# Altium PCB PROC054D_MMWCAS_RF_EVM_ASCII.PcbDoc (part 11 of 13)
Units mil, origin at the board's own origin, x right, y up, seen from the top; angles counter-clockwise.
Board outline 6299.21 x 5370.07 mil, 8 copper layers (L1 TOP, L2 GND, L3 SIGNAL 1, L4 GND, L5 SIGNAL 2, L6 SIGNAL 3, L7 GND, L8 BOTTOM), stack 53.5 mil thick; 775 components, 552 nets, 2648 pads, 7845 vias.
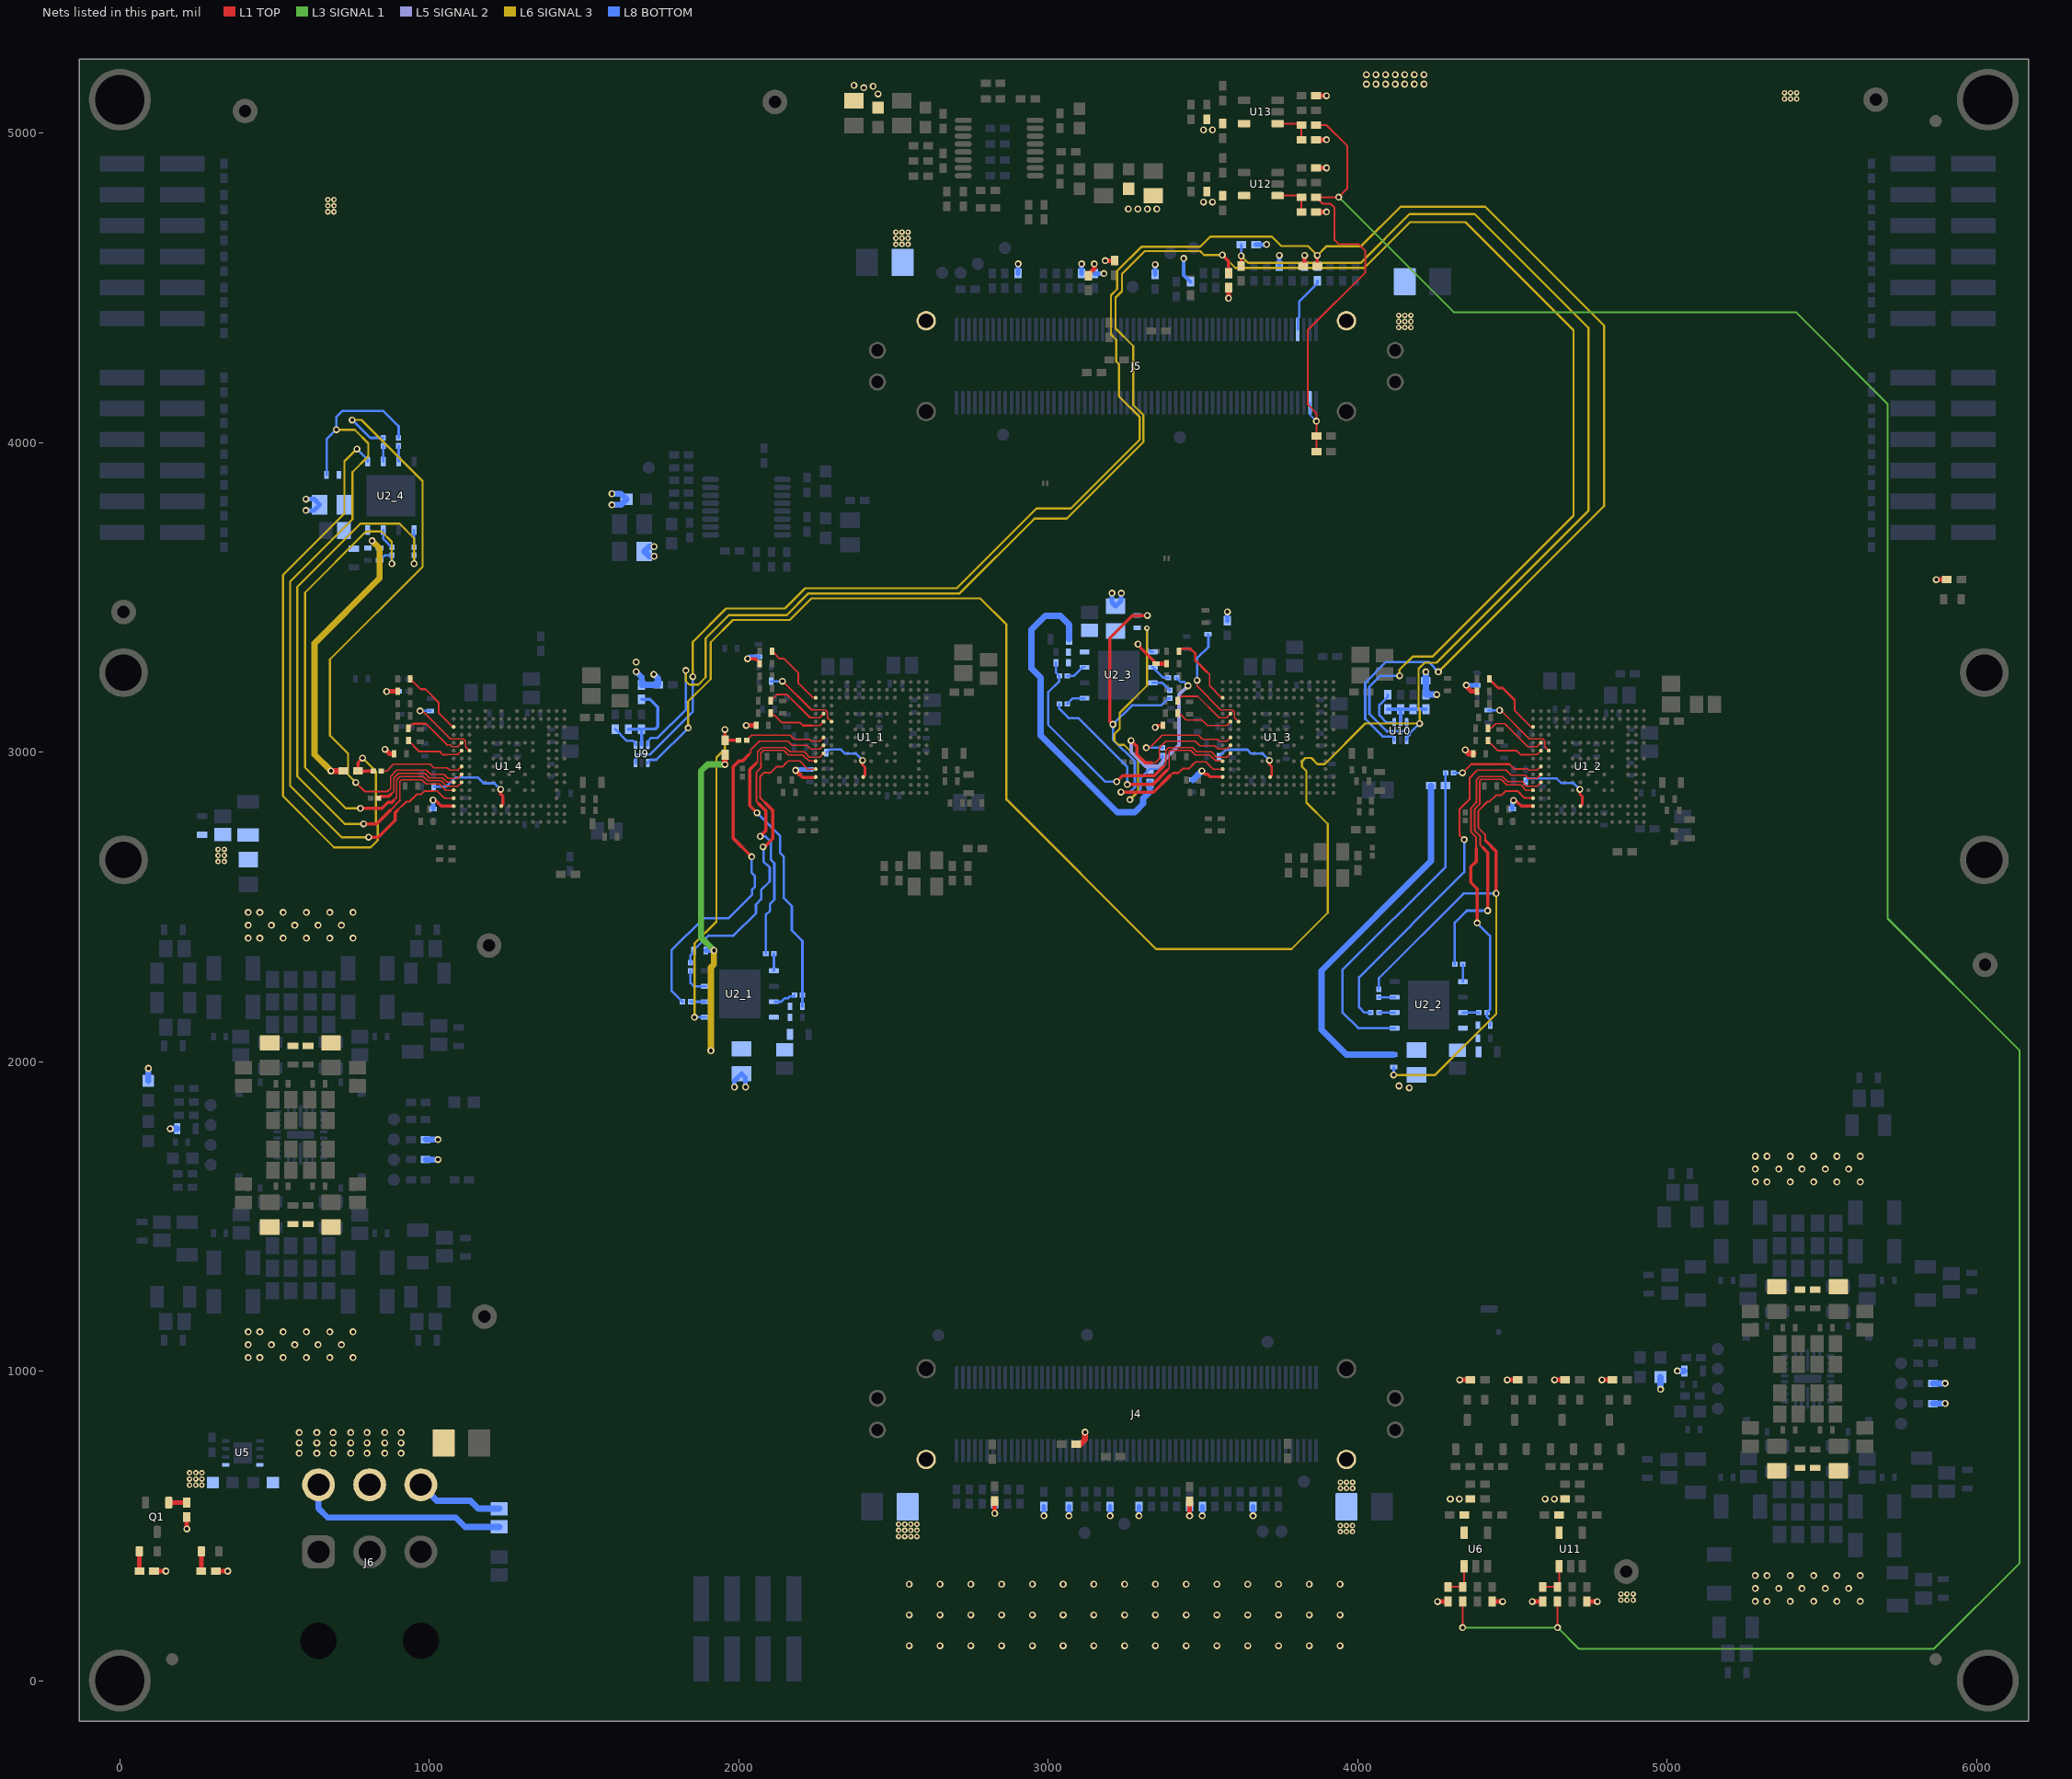
[diagram p17: the nets of this part, all layers, seen from the top]

## Via types
v1: diameter 15.74, hole 5.9, L1 TOP to L2 GND, tented both sides, 5522 vias
v2: diameter 22.4, hole 12.2, L1 TOP to L8 BOTTOM, tented both sides, 1522 vias
v3: diameter 18, hole 8, L1 TOP to L8 BOTTOM, tented both sides, 727 vias
v4: diameter 18, hole 7.87, L1 TOP to L8 BOTTOM, tented top, 50 vias
v5: diameter 24, hole 12, L1 TOP to L8 BOTTOM, tented both sides, 13 vias
v6: diameter 19.68, hole 7.87, L1 TOP to L8 BOTTOM, tented top, 10 vias
v7: diameter 15.74, hole 5.9, L1 TOP to L2 GND, tented top, 1 vias

## Nets (pads, with @x,y where several pads share a name; then routed paths per layer and width w, separated by ;. In a path a pad name is that pad's centre, name@x,y a point inside that pad or via, vN(x,y) a via of type N, cw(c..) or ccw(c..) an arc to the next point about the centre after c; other vN are vias at no path point) (continued)
QSPI_CLK_RS_4: R7_4.1 U1_4.R10 | length 312.9
  L1 TOP w4: 880,2867.56 885,2872.56 885,2916 900,2931 986,2931 1000,2917 1043,2917 1057.68,2902.32 U1_4.R10@1078.76,2902.31
  L1 TOP w6: 875.22,2862.78 880,2867.56
  L1 TOP w10.5: R7_4.1@836.23,2851.34 841.88,2857 869.44,2857 875.22,2862.78
QSPI_CS_1: R3_1.1 R6_1.2 U2_1.1 | length 1084.4
  L1 TOP w10.5: v2(1955.47,3072.76) R3_1.1@1955.47,3038.66 R6_1.2@1999.52,3038.66
  L6 SIGNAL 3 w6.9: v2(1856.94,2143.45) 1856.94,2381.49 1927.82,2452.37 1927.82,2982.73 1955.47,3010.37 v2(1955.47,3072.76)
  L8 BOTTOM w7.75: v2(1856.94,2143.45) U2_1.1@1893.07,2143.45
QSPI_CS_2: R3_2.1 R6_2.2 U2_2.1 | length 1101.7
  L8 BOTTOM w7.75: U2_2.1@4119.72,2108.17 4002.27,2108.17 3950.66,2159.79 3950.66,2295.48 4284.5,2629.32 R3_2.1@4284.5,2891.34 R6_2.2@4284.5,2932.79
QSPI_CS_3: R3_3.1 R6_3.2 U2_3.1 | length 942.7
  L6 SIGNAL 3 w6.9: v2(3263.95,2846.06) 3290.69,2872.8 3290.69,2978.19 3245.33,3023.55 3227.38,3023.55 3213.98,3036.95 3213.98,3058.37 3230.89,3075.29 3230.89,3126.62 3319.33,3215.06 v3(3319.33,3400.73)
  L8 BOTTOM w7.75: v2(3263.95,2846.06) 3299.18,2881.29 3299.18,2916.68 R3_3.1@3328.84,2946.33 3357.8,2946.33 3369.29,2957.81 R6_3.2@3369.29,2988.02 ; v3(3319.33,3400.73) 3319.33,3336.15 3331.48,3324 U2_3.1@3338.2,3324
QSPI_CS_4: R3_4.1 R6_4.2 U2_4.1 | length 2043.6
  L1 TOP w10.5: v2(784.43,2980.78) 769.58,2965.93 R3_4.1@769.58,2938.96 R6_4.2@818.79,2938.96
  L6 SIGNAL 3 w6.9: v2(765.87,3979.55) 725.55,3939.23 725.55,3770.66 527.16,3572.27 527.16,2857.64 692.53,2692.26 810.51,2692.26 833.15,2714.9 833.15,2765.55 827.8,2770.91 827.8,2937.42 v2(784.43,2980.78)
  L8 BOTTOM w7.75: v2(765.87,3979.55) 800.89,3944.53 U2_4.1@800.89,3938.33
QSPI_CS_RS_1: R6_1.1 U1_1.P8 | length 269.1
  L1 TOP w4: R6_1.1@2025.51,3038.66 2041.85,3055 2166.75,3055 2180,3041.75 2228.1,3041.75 2234.85,3035 2261.85,3035 U1_1.P8@2274.35,3047.5
QSPI_CS_RS_2: R6_2.1 U1_2.P8 | length 308
  L1 TOP w4: 4540.65,2946 4549,2946 4554,2941 4579.85,2941 U1_2.P8@4592.35,2953.5
  L1 TOP w6: v2(4339,2933) 4367,2961 4491,2961 4506,2946 4540.65,2946
  L8 BOTTOM w7.75: R6_2.1@4309.42,2933 v2(4339,2933)
QSPI_CS_RS_3: R6_3.1 U1_3.P8 | length 355.1
  L1 TOP w4: v2(3317,3014) 3327.98,3014 3368.98,3055 3486,3055 3500,3041 3548,3041 3554,3035 3576.85,3035 U1_3.P8@3589.35,3047.5
  L8 BOTTOM w7.75: v2(3317,3014) R6_3.1@3369.29,3014
QSPI_CS_RS_4: R6_4.1 U1_4.P8 | length 282.2
  L1 TOP w4: R6_4.1@844.78,2938.96 862.49,2938.96 884.54,2961 1003,2961 1015,2949 1058,2949 1066,2941 1091.85,2941 U1_4.P8@1104.35,2953.5
QSPI_D0_1: R30_1.1 U1_1.R11 | length 907.9
  L1 TOP w4: 2071.51,2965.93 2071.51,2996.51 2080,3005 2146,3005 2160,2991 2207,2991 2227.27,2970.73 U1_1.R11@2248.76,2970.72
  L1 TOP w6: 2064.5,2833.5 2056.46,2841.54 2056.46,2934.62 2071.51,2949.67 2071.51,2965.93
  L1 TOP w10.5: 2064.5,2833.5 2087.05,2810.95 2087.05,2745.55 v2@2069.4,2727.9
  L8 BOTTOM w7.75: v2@2069.4,2727.9 2084.8,2727.9 2104.25,2708.45 2104.25,2651.51 2115.19,2640.57 2115.19,2523.48 2100.57,2508.86 2100.57,2486.64 2087.55,2473.63 R30_1.1@2087.55,2349.27
  other v2: 2069.4,2727.78
QSPI_D0_2: R30_2.1 U1_2.R11 | length 888.5
  L1 TOP w4: 4394.22,2905.78 4400.02,2911.57 4463.43,2911.57 4481,2894 4527,2894 4544.27,2876.73 U1_2.R11@4566.76,2876.73
  L1 TOP w6: 4394.22,2905.78 4394.22,2832.02 4378,2815.79 4378,2747 4396.72,2728.28 4396.72,2699.28 4404,2692
  L1 TOP w10.5: 4404,2692 4420,2676 v2(4420,2487.75)
  L8 BOTTOM w7.75: R30_2.1@4314.21,2313.99 4314.21,2449.21 4352.75,2487.75 v2(4420,2487.75)
QSPI_D0_3: R30_3.1 U1_3.R11 | length 769.6
  L1 TOP w4: 3383.9,2940.91 3390.9,2947.91 3390.9,3000.9 3395,3005 3461,3005 3475,2991 3522,2991 3542.27,2970.73 U1_3.R11@3563.76,2970.72
  L1 TOP w10.5: v2(3255.64,2895.06) 3338.05,2895.06 3383.9,2940.91
  L8 BOTTOM w7.75: R30_3.1@3035.84,3156 3035.84,3139.82 3065.47,3110.18 3097.36,3110.18 3255.64,2951.9 v2(3255.64,2895.06)
QSPI_D0_4: R30_4.1 U1_4.R11 | length 1881.4
  L1 TOP w4: 905,2843.15 905,2906 910,2911 976,2911 990,2897 1033,2897 1053.27,2876.73 U1_4.R11@1078.76,2876.72
  L1 TOP w6: 873.33,2811.48 905,2843.15
  L1 TOP w10.5: v2(788,2768) 829.85,2768 873.33,2811.48
  L6 SIGNAL 3 w6.9: v2(788,2768) 726.98,2768 573.41,2921.58 573.41,3533.58 777.75,3737.93 903.6,3737.93 950.89,3690.64 v2(950.89,3609.06)
  L8 BOTTOM w7.75: v2(950.89,3609.06) R30_4.1@950.89,3635.98
QSPI_D0_RS_1: R30_1.2 U2_1.5 | length 55.8
  L8 BOTTOM w7.75: U2_1.5@2113.54,2293.45 R30_1.2@2113.54,2349.27
QSPI_D0_RS_2: R30_2.2 U2_2.5 | length 55.8
  L8 BOTTOM w7.75: U2_2.5@4340.2,2258.17 R30_2.2@4340.2,2313.99
QSPI_D0_RS_3: R30_3.2 U2_3.5 | length 63.4
  L8 BOTTOM w7.75: R30_3.2@3061.82,3156 3079.82,3174 U2_3.5@3117.72,3174
QSPI_D0_RS_4: R30_4.2 U2_4.5 | length 55.9
  L8 BOTTOM w7.75: R30_4.2@950.89,3661.96 U2_4.5@950.89,3717.86
QSPI_D1_1: R31_1.1 U1_1.P9 | length 1310.7
  L1 TOP w4: 2031.08,2990.33 2038.41,2997.67 2038.41,3007.02 2066.41,3035.01 2158.44,3035.01 2171.7,3021.75 2220.25,3021.75 2232.59,3009.41 2261.85,3009.41 U1_1.P9@2274.35,3021.91
  L1 TOP w10.5: 2031.08,2990.33 2012.46,2971.71 2000.63,2971.71 1981.44,2952.51 1981.44,2722.56 v2@2042,2662
  L8 BOTTOM w7.75: R31_1.1@1818.27,2193.45 1782.88,2228.84 1782.88,2360.24 1885.77,2463.13 1967.11,2463.13 2043.52,2539.54 2043.52,2556.03 2052.39,2564.9 2052.39,2599.49 2042,2609.89 v2@2042,2662
  other v2: 2042,2661.88
QSPI_D1_2: R31_2.1 U1_2.P9 | length 1203.9
  L1 TOP w4: 4380.69,2935.34 4386.35,2941 4480,2941 4496,2925 4542,2925 4551.59,2915.41 4579.85,2915.41 U1_2.P9@4592.35,2927.91
  L1 TOP w6: v2(4344.52,2716.87) 4328.62,2732.77 4328.62,2814.56 4362.05,2847.99 4362.05,2916.7 4380.69,2935.34
  L8 BOTTOM w7.75: R31_2.1@4042.84,2158.17 4021.86,2158.17 4004.78,2175.25 4004.78,2272.33 4344.52,2612.07 v2(4344.52,2716.87)
QSPI_D1_3: R31_3.1 U1_3.P9 | length 921.7
  L1 TOP w4: 3334.56,2965 3345.76,2965 3360,2979.24 3360,3014.15 3380.85,3035 3476,3035 3490,3021 3538,3021 3549.59,3009.41 3576.85,3009.41 U1_3.P9@3589.35,3021.91
  L1 TOP w10.5: v2(3268,3037) 3286.57,3018.43 3286.57,2992.7 3314.27,2965 3334.56,2965
  L5 SIGNAL 2 w12: v2(3268,3037) 3268,3000.23 3313.86,2954.37 3355.2,2954.37 3422.88,3022.05 3422.88,3185.44 v2(3451.8,3214.36)
  L8 BOTTOM w7.75: R31_3.1@3415.08,3239.82 3427.88,3227.02 3439.14,3227.02 v2(3451.8,3214.36)
QSPI_D1_4: R31_4.1 U1_4.P9 | length 1986
  L1 TOP w4: 869.32,2877.04 875,2882.72 875,2921 895,2941 991,2941 1004,2928 1048,2928 1060.59,2915.41 1091.85,2915.41 U1_4.P9@1104.35,2927.91
  L1 TOP w6: v2(762.51,2901.82) 791.72,2872.61 864.89,2872.61 869.32,2877.04
  L6 SIGNAL 3 w6.9: v2(750.85,4073.17) 780.78,4073.17 978.24,3875.71 978.24,3598.76 679.14,3299.66 679.14,3053.48 737.32,2995.31 737.32,2927 v2(762.51,2901.82)
  L8 BOTTOM w7.75: v2(750.85,4073.17) 808.81,4015.21 R31_4.1@850.89,4015.21
QSPI_D1_RS_1: R31_1.2 U2_1.2 | length 48.8
  L8 BOTTOM w7.75: R31_1.2@1844.26,2193.45 U2_1.2@1893.07,2193.45
QSPI_D1_RS_2: R31_2.2 U2_2.2 | length 50.9
  L8 BOTTOM w7.75: R31_2.2@4068.82,2158.17 U2_2.2@4119.72,2158.17
QSPI_D1_RS_3: R31_3.2 U2_3.2 | length 65.1
  L8 BOTTOM w7.75: U2_3.2@3338.2,3274 3372.38,3239.82 R31_3.2@3389.1,3239.82
QSPI_D1_RS_4: R31_4.2 U2_4.2 | length 50.9
  L8 BOTTOM w7.75: U2_4.2@850.89,3938.33 R31_4.2@850.89,3989.23
QSPI_D2_1: R27_1.2 R32_1.1 U1_1.R12 | length 1009.3
  L1 TOP w4: 2189.08,2971 2197,2971 2222.86,2945.14 U1_1.R12@2248.76,2945.13
  L1 TOP w4.9: 2153.81,2965.29 2159.52,2971 2189.08,2971
  L1 TOP w6: 2088,2834 2069,2853 2069,2921.42 2081.58,2934 2103.44,2934 2121.77,2952.32 2140.84,2952.32 2153.81,2965.29
  L1 TOP w10.5: v2@2078.5,2694.1 2084.43,2694.1 2110.35,2720.02 2110.35,2811.65 2088,2834
  L8 BOTTOM w7.75: R32_1.1@1844.26,2319.43 1844.26,2343.58 1854.26,2353.58 R27_1.2@1854.26,2359.18 1902.03,2406.95 1983.18,2406.95 2055.67,2479.44 2055.67,2507.44 2072.49,2524.26 2072.49,2554.39 2100.18,2582.09 2100.18,2626.82 2080,2647 2080,2692.6 v2@2078.5,2694.1
  other v2: 2078.5,2693.98
QSPI_D2_2: R27_2.2 R32_2.1 U1_2.R12 | length 1859.4
  L1 TOP w6: 4413.01,2713.99 4413.01,2731.99 4390.35,2754.65 4390.35,2810.73 4419.98,2840.35 4427.2,2840.35 4446.85,2860 4464.17,2860 4478.17,2874 4517,2874 4539.87,2851.13 U1_2.R12@4566.76,2851.13
  L1 TOP w10.5: 4413.01,2713.99 4448,2679 v2(4448,2543.39)
  L6 SIGNAL 3 w6.9: v2(4116.64,1956.94) 4250.75,1956.94 4448,2154.2 v2(4448,2543.39)
  L8 BOTTOM w7.75: R32_2.1@4068.82,2234.15 4068.82,2270 4342.21,2543.39 v2(4448,2543.39) ; v2(4116.64,1956.94) R27_2.2@4116.64,1982.51
QSPI_D2_3: R27_3.2 R32_3.1 U1_3.R12 | length 1344.2
  L1 TOP w4: 3471.82,2963.62 3477.2,2969 3510,2969 3533.86,2945.14 U1_3.R12@3563.76,2945.13
  L1 TOP w6: 3394.44,2924.44 3402.79,2932.79 3420.79,2932.79 3434.67,2946.67 3454.87,2946.67 3471.82,2963.62
  L1 TOP w10.5: v2(3209,3089.6) 3198.84,3099.75 3198.84,3368.15 3271.94,3441.24 v2(3320.35,3441.24) ; v2(3235.29,2870.65) 3340.65,2870.65 3394.44,2924.44
  L8 BOTTOM w7.75: v2(3235.29,2870.65) 3264.43,2870.65 3280.08,2886.3 3280.08,2969.98 3209,3041.06 v2(3209,3089.6) 3270.53,3151.13 3365.27,3151.13 3388.02,3173.88 R32_3.1@3393.01,3173.88 ; R27_3.2@3292.73,3441.24 v2(3320.35,3441.24)
QSPI_D2_4: R27_4.2 R32_4.1 U1_4.R12 | length 2483.7
  L1 TOP w4: 1014.53,2874.24 1025.76,2874.24 1048.86,2851.14 U1_4.R12@1078.76,2851.13
  L1 TOP w6: 896.36,2811.17 925,2839.81 935.7,2839.81 958.92,2863.04 973.3,2863.04 984.5,2874.24 1014.53,2874.24
  L1 TOP w10.5: v2(804,2725) 835.1,2725 889.39,2779.29 889.39,2804.2 896.36,2811.17
  L6 SIGNAL 3 w6.9: v2(699.62,4041.66) 758.97,4041.66 803.02,3997.61 803.02,3955.88 751.72,3904.58 751.72,3752.25 550.28,3550.81 550.28,2891.36 716.65,2725 v2(804,2725)
  L8 BOTTOM w7.75: R27_4.2@668.22,3895.75 668.22,4010.26 v2(699.62,4041.66) 699.62,4082.81 719.53,4102.72 850.89,4102.72 900.89,4052.72 R32_4.1@900.89,4015.21
QSPI_D2_RS_1: R32_1.2 U2_1.3 | length 92.4
  L8 BOTTOM w7.75: R32_1.2@1844.26,2293.44 1844.26,2254.36 1855.17,2243.45 U2_1.3@1893.07,2243.45
QSPI_D2_RS_2: R32_2.2 U2_2.3 | length 50.9
  L8 BOTTOM w7.75: R32_2.2@4068.82,2208.17 U2_2.3@4119.72,2208.17
QSPI_D2_RS_3: R32_3.2 U2_3.3 | length 64.8
  L8 BOTTOM w7.75: U2_3.3@3338.2,3224 3368.87,3224 R32_3.2@3393.01,3199.87
QSPI_D2_RS_4: R32_4.2 U2_4.3 | length 50.9
  L8 BOTTOM w7.75: U2_4.3@900.89,3938.33 R32_4.2@900.89,3989.23
QSPI_D3_1: R28_1.2 R33_1.1 U1_1.P10 | length 1141
  L1 TOP w4: 2054.98,2962.98 2060.79,2968.79 2060.79,3000.79 2075.01,3015.01 2150.14,3015.01 2164.15,3001 2212,3001 2229.18,2983.82 2261.85,2983.82 U1_1.P10@2274.35,2996.31
  L1 TOP w10.5: 2054.98,2962.98 2035.81,2943.81 2035.81,2827.19 v2@2059,2804
  L8 BOTTOM w7.75: v2@2059,2804 2134,2729 2134,2673.76 2145.86,2661.9 2145.86,2528.37 2171.6,2502.63 2171.6,2424.11 2205.91,2389.81 R33_1.1@2205.91,2215.45 R28_1.2@2205.91,2178.18
  other v2: 2059,2803.88
QSPI_D3_2: R28_2.2 R33_2.1 U1_2.P10 | length 1078.6
  L1 TOP w4: 4388.98,2915.33 4393.85,2920.2 4468.95,2920.2 4485.15,2904 4532,2904 4546.18,2889.82 4579.85,2889.82 U1_2.P10@4592.35,2902.32
  L1 TOP w6: 4383,2688.83 4383,2725 4366,2742 4366,2818.96 4384.12,2837.08 4384.12,2910.47 4388.98,2915.33
  L1 TOP w10.5: 4383,2688.83 4383,2646.71 4366,2629.71 4366,2578.75 4386.34,2558.41 v2(4386.34,2447.74)
  L8 BOTTOM w7.75: v2(4386.34,2447.74) 4428.03,2406.05 4428.03,2168.13 R33_2.1@4418.08,2158.17 4418.08,2145.12 4428.64,2134.56 R28_2.2@4428.64,2117.67
QSPI_D3_3: R28_3.2 R33_3.1 U1_3.P10 | length 974.8
  L1 TOP w4: 3370.96,2952.36 3380,2961.4 3380,3005 3390,3015 3466,3015 3480,3001 3527,3001 3544.18,2983.82 3576.85,2983.82 U1_3.P10@3589.35,2996.31
  L1 TOP w10.5: v2(3221.41,2904.61) 3240.98,2924.17 3342.78,2924.17 3370.96,2952.36
  L8 BOTTOM w7.75: R28_3.2@3025.36,3289.27 3025.36,3256.48 R33_3.1@3035.84,3246 3035.84,3229.7 3000.02,3193.88 3000.02,3088.53 3183.94,2904.61 v2(3221.41,2904.61)
QSPI_D3_4: R28_4.2 R33_4.1 U1_4.P10 | length 1739
  L1 TOP w4: 892.97,2851.96 895,2853.99 895,2910.99 905,2920.99 981,2920.99 995,2906.99 1038,2906.99 1055.18,2889.81 1091.85,2889.81 U1_4.P10@1104.35,2902.31
  L1 TOP w6: 884.5,2843.49 892.97,2851.96
  L1 TOP w10.5: v2(777.5,2818.49) 846.59,2818.49 866.09,2837.99 879,2837.99 884.5,2843.49
  L6 SIGNAL 3 w6.9: v2(777.5,2818.49) 730.21,2818.49 598.6,2950.1 598.6,3515.57 795.79,3712.77 845.26,3712.77 878.89,3679.14 v2(878.89,3609.06)
  L8 BOTTOM w7.75: R28_4.2@839.38,3619.4 855.95,3635.98 R33_4.1@878.89,3635.98 v2(878.89,3609.06)
QSPI_D3_RS_1: R33_1.2 U2_1.7 | length 71.6
  L8 BOTTOM w7.75: U2_1.7@2117.47,2193.45 2137.37,2193.45 2149.08,2205.16 2159.64,2205.16 2165.33,2210.86 2175.33,2210.86 R33_1.2@2179.92,2215.45
QSPI_D3_RS_2: R33_2.2 U2_2.7 | length 51.9
  L8 BOTTOM w7.75: U2_2.7@4340.2,2158.17 R33_2.2@4392.1,2158.17
QSPI_D3_RS_3: R33_3.2 U2_3.7 | length 67.5
  L8 BOTTOM w7.75: R33_3.2@3061.82,3246 3082.81,3246 3110.81,3274 U2_3.7@3117.72,3274
QSPI_D3_RS_4: R33_4.2 U2_4.7 | length 67.5
  L8 BOTTOM w7.75: U2_4.7@850.89,3717.86 850.89,3689.96 R33_4.2@878.89,3661.96
QSPI_FLASH_3V3_1: C6_1.1 C7_1.1 C8_1.1 R3_1.2 R27_1.1 R28_1.1 R29_1.1 U2_1.8 | length 1068.6
  L1 TOP w20: v2(1955.47,2960.16) R3_1.2@1955.47,2991.41
  L3 SIGNAL 1 w20: v2(1920.09,2359.18) 1877.94,2401.33 1877.94,2938.65 1899.46,2960.16 v2(1955.47,2960.16)
  L6 SIGNAL 3 w20: v2(1910.09,2035.18) 1910.09,2304.57 1920.09,2314.57 v2(1920.09,2359.18)
  L8 BOTTOM w15: R27_1.1@1894.26,2359.18 v2(1920.09,2359.18)
QSPI_FLASH_3V3_2: C6_2.1 C7_2.1 C8_2.1 R3_2.2 R27_2.1 R28_2.1 R29_2.1 U2_2.8 | length 1201.7
  L8 BOTTOM w20: R27_2.1@4116.64,2022.51 3963.83,2022.51 3883.22,2103.12 3883.22,2293.73 4237.25,2647.76 R3_2.2@4237.25,2891.34
QSPI_FLASH_3V3_3: C6_3.1 C7_3.1 C8_3.1 R3_3.2 R27_3.1 R28_3.1 R29_3.1 U2_3.8 | length 1073.9
  L8 BOTTOM w20: C7_3.1@3067.86,3364.87 3067.86,3412.18 3039.51,3440.52 2990.81,3440.52 2946.13,3395.84 2946.13,3270.34 2975.25,3241.22 2975.25,3053.67 3222.91,2806 3279.58,2806 3306.8,2833.22 3306.8,2850.13 3328.84,2872.17 R3_3.2@3328.84,2899.09
QSPI_FLASH_3V3_4: C6_4.1 C7_4.1 C8_4.1 R3_4.2 R27_4.1 R28_4.1 R29_4.1 U2_4.8 | length 903.2
  L1 TOP w20: v2(682.32,2938.96) R3_4.2@722.34,2938.96
  L6 SIGNAL 3 w20: v2(682.32,2938.96) 629.15,2992.12 629.15,3351.52 839.49,3561.86 839.49,3658.66 v2(815.19,3682.96)
SDA_RS_1: R13_1.2 U1_1.R3 | length 221.9
  L1 TOP w6: R13_1.2@2108,3326 2132.6,3301.4 2146.9,3301.4 2192,3256.29 2192,3224.18 2240.73,3175.45 U1_1.R3@2248.76,3175.45
SDA_RS_2: R13_2.2 U1_2.R3 | length 225.8
  L1 TOP w6: 4507,3168.16 4507,3134.97 4560.52,3081.45 U1_2.R3@4566.76,3081.45
  L1 TOP w8: R13_2.2@4425.9,3237 4425.9,3235.1 4454.14,3206.86 4468.3,3206.86 4507,3168.16
SDA_RS_3: R13_3.2 U1_3.R3 | length 244.1
  L1 TOP w4: 3512.28,3259.72 3521,3251 3521,3214.56 3560.11,3175.45 U1_3.R3@3563.76,3175.45
  L1 TOP w8: R13_3.2@3422.9,3326 3430.8,3333.9 3460.21,3333.9 3475.94,3318.16 3475.94,3296.06 3512.28,3259.72
SDA_RS_4: R13_4.2 U1_4.R3 | length 225.1
  L1 TOP w4: 1053.68,3103.12 1075.35,3081.45 U1_4.R3@1078.76,3081.45
  L1 TOP w6: R13_4.2@937.9,3237 971.67,3203.23 987.47,3203.23 1029.87,3160.83 1029.87,3126.93 1053.68,3103.12
SPI_HOST_INTR1_RS_1: R10_1.1 U1_1.P6 | length 193.3
  L1 TOP w4: 2240.01,3085.86 2261.53,3085.86 U1_1.P6@2274.35,3098.68
  L1 TOP w6: R10_1.1@2103,3126 2109.12,3119.88 2114.54,3119.88 2138.62,3095.8 2197.43,3095.8 2207.37,3085.86 2240.01,3085.86
SPI_HOST_INTR1_RS_2: R10_2.1 U1_2.P6 | length 195.4
  L1 TOP w4: 4556.13,2991.86 4579.53,2991.86 U1_2.P6@4592.35,3004.68
  L1 TOP w6: R10_2.1@4420.91,3037 4452.45,3005.46 4513.1,3005.46 4526.7,2991.86 4556.13,2991.86
SPI_HOST_INTR1_RS_3: R10_3.1 U1_3.P6 | length 192.1
  L1 TOP w4: R10_3.1@3418.91,3126 3423.89,3121.02 3428.5,3121.02 3445.15,3104.37 3496.94,3104.37 3515.13,3086.18 3576.85,3086.18 U1_3.P6@3589.35,3098.68
SPI_HOST_INTR1_RS_4: R10_4.1 U1_4.P6 | length 195.5
  L1 TOP w4: 1056.91,2992.18 1091.85,2992.18 U1_4.P6@1104.35,3004.68
  L1 TOP w6: R10_4.1@933,3037 933,3036.28 967.48,3001.79 1033.74,3001.79 1043.36,2992.18 1056.91,2992.18
SPI_MISO1_RS_1: R12_1.1 U1_1.P5 | length 215.6
  L1 TOP w4: 2239.63,3111.77 2261.85,3111.77 U1_1.P5@2274.35,3124.27
  L1 TOP w6: R12_1.1@2103,3166 2123,3186 2155.62,3186 2229.85,3111.77 2239.63,3111.77
SPI_MISO1_RS_2: R12_2.1 U1_2.P5 | length 213.6
  L1 TOP w4: 4557.73,3017.77 4579.85,3017.77 U1_2.P5@4592.35,3030.27
  L1 TOP w4.9: R12_2.1@4420.89,3077 4431.03,3077 4446.03,3092 4476,3092 4550.23,3017.77 4557.73,3017.77
SPI_MISO1_RS_3: R12_3.1 U1_3.P5 | length 211
  L1 TOP w4: 3548.24,3115.92 3552.39,3111.77 3576.85,3111.77 U1_3.P5@3589.35,3124.27
  L1 TOP w4.9: R12_3.1@3418.89,3166 3418.89,3167.92 3431.24,3180.27 3483.89,3180.27 3548.24,3115.92
SPI_MISO1_RS_4: R12_4.1 U1_4.P5 | length 213.4
  L1 TOP w4: 1057.76,3023.24 1067.76,3023.24 1073.23,3017.77 1091.85,3017.77 U1_4.P5@1104.35,3030.27
  L1 TOP w6: R12_4.1@932.89,3077 947.68,3091.79 989.21,3091.79 1057.76,3023.24
SYSTEM_1V8: C18.1 C19.1 C20.1 C175.1 L34.1 R35.2
  other v2: 3259.09,4754.58 3289.73,4754.58 3320.38,4754.58 3351.02,4754.58
  other v3: 317.57,2646.28 337.26,2646.28 317.57,2665.96 337.26,2665.96 317.57,2685.65 337.26,2685.65 672.2,4745.71 691.88,4745.71 672.2,4765.4 691.88,4765.4 672.2,4785.08 691.88,4785.08
SYSTEM_3V3: C148_1.1 C148_2.1 C148_3.1 C148_4.1 C162.1 C163.1 C164.1 C165.1 C169.1 C181.1 C197.1 C198.1 C203.1 L33.1 L35.1 R29_1.2 R29_2.2 R29_3.2 R29_4.2 R37.2 R46.1 R47.2 R61.2 R70.1 R71.2 R86.2 R87.2 R88.2 R89.2 R90.2 R91.2 R92.2 R93.2 R150.2 R164.1 R166.2 R167.2 R168.2 R173.1 R174_1.2 R174_2.2 R174_3.2 R174_4.2 R175_1.2 R175_2.2 R175_3.2 R175_4.2 R176_1.2 R176_2.2 R176_3.2 R176_4.2 R177_1.2 R177_2.2 R177_3.2 R177_4.2 R178_1.2 R178_2.2 R178_3.2 R178_4.2 R179_1.2 R179_2.2 R179_3.2 R179_4.2 R180_1.2 R180_2.2 R180_3.2 R180_4.2 R181_1.2 R181_2.2 R181_3.2 R181_4.2 R193.2 R195.2 R206.2 R207.2 U1_1.R13 U1_2.R13 U1_3.R13 U1_4.R13 U5.1 U6.5 U11.5 U12.5 U13.5 | length 3056.5
  L1 TOP w10: v2(1012,2845) 1019,2845 1038.45,2825.55 U1_4.R13@1078.76,2825.55 ; v2(2028.5,3301.5) 2054.7,3301.5 R180_1.2@2070.2,3286 ; 2198,2927 2207,2918 2247.21,2918 U1_1.R13@2248.76,2919.55 ; v2(3290,3349) 3290,3345.61 3349.08,3286.53 R181_3.2@3349.08,3286 ; v2(3346,3080) 3352,3086 R177_3.2@3373.6,3086 ; v2(3497,2939) 3507.39,2928.61 3515.55,2928.61 3524.16,2920 3563.31,2920 U1_3.R13@3563.76,2919.55 ; v2(4504,2844) 4510,2844 4528.45,2825.55 U1_2.R13@4566.76,2825.55
  L1 TOP w15: v2(216.13,489.93) R195.2@216.13,527.89 ; v2(857,3009) 871,2995 R177_4.2@886.4,2995 ; v2@862,3197 R180_4.2@897.91,3197 ; v2(2024,3086) R177_1.2@2056.4,3086 ; v2(2184,2941) 2198,2927 ; v2(2827.21,540.28) R176_1.2@2827.21,580.9 ; R175_4.2@3130.51,4539.69 3130.51,4543.91 3149,4562.41 v2(3149,4577.44) ; v2(3184.17,4587.61) R176_4.2@3215.4,4587.61 ; R181_3.2@3349.08,3286 R180_3.2@3382.91,3286 ; v2(3457,532.56) R175_2.2@3457,579.22 ; v2(3583,4466.2) R168.2@3583,4500 ; R166.2@3822.75,4570.25 3829,4576.49 v2(3829,4604.76) ; R91.2@3865.5,4745.42 v2(3899.65,4745.42) ; R90.2@3865.5,4887.63 v2(3899.65,4887.63) ; R93.2@3865.5,4978.47 v2(3899.65,4978.47) ; R92.2@3865.5,5120.67 v2(3899.65,5120.67) ; v2(4258.03,255.59) R87.2@4292.19,255.59 ; v2(4351.29,3216.41) 4351.29,3212 4366.29,3197 R180_2.2@4385.91,3197 ; R86.2@4434.39,255.59 v2(4468.55,255.59) ; v2(4564.48,255.59) R89.2@4598.64,255.59 ; R88.2@4740.84,255.59 v2(4775,255.59) ; v2(5869.75,3557.54) R193.2@5903.9,3557.54
  L1 TOP w20: R178_1.2@3090.34,764 3103.52,764 3119.1,779.58 v2(3119.1,802.9) ; v2(4348,3007) 4360,2995 R177_2.2@4374.4,2995
  L8 BOTTOM w10: v2(862,3195.9) R181_4.2@899.06,3195.9
  L8 BOTTOM w12: v2(3437.73,4595.35) 3437.73,4541.94 R178_3.2@3460,4519.67
  L8 BOTTOM w15: v2(601.18,3781.05) 627.69,3781.05 R29_4.2@645.87,3799.23 627.69,3817.41 v2(601.18,3817.41) ; C148_4.1@1012,2815.58 v2(1012,2845) ; v2(1985.88,1917.9) 1985.88,1937.82 R29_1.2@2009.01,1960.95 2022.13,1947.82 v2(2022.13,1917.9) ; v2(2028.5,3301.5) 2035.23,3308.23 R181_1.2@2063.84,3308.23 ; v2(2184,2941) 2187.28,2944.28 C148_1.1@2229,2944.28 ; v2(2827.21,540.28) R175_1.2@2827.21,570.9 ; R174_4.2@2903,4546.21 v2(2903,4577.44) ; v2(2986,532.56) R150.2@2986,563.18 ; v2(3067,532.56) R179_1.2@3067,563.18 ; R178_4.2@3108,4546.21 v2(3108,4577.44) ; R179_4.2@3149,4546.21 v2(3180.23,4546.21) ; v2(3200,532.56) R174_1.2@3200,563.18 ; v2(3206.11,3513.53) 3206.11,3483.19 R29_3.2@3218.01,3471.29 3236.19,3489.47 v2(3236.19,3513.53) ; v2(3293,532.56) R176_2.2@3293,563.18 ; R174_3.2@3346,4543.24 v2(3346,4575.08) ; v2(3457,532.56) R179_2.2@3457,563.18 ; v2(3498,532.56) R178_2.2@3498,563.18 ; R179_3.2@3578.91,3424.58 v2(3578.91,3453.53) ; v2(3662,532.56) R174_2.2@3662,563.18 ; R167.2@3671.24,4640.08 v2(3705.76,4640.08) ; R175_3.2@3747,4570.25 v2(3747,4604.76) ; R176_3.2@3829,4570.25 v2(3829,4604.76) ; v2(4351.29,3216.41) R181_2.2@4386.19,3216.41 ; C148_2.1@4500,2815.58 4500,2840 v2(4504,2844)